# Altium PCB Diff_to_SingleEnded.PcbDoc (part 2 of 2)
Units mil, origin at the board's own origin, x right, y up, seen from the top; angles counter-clockwise.
Board outline 2637.8 x 3543.31 mil, 4 copper layers (Top Layer, GND, 5V, Bottom Layer), stack 23.756 mil thick; 147 components, 99 nets, 427 pads, 69 vias.
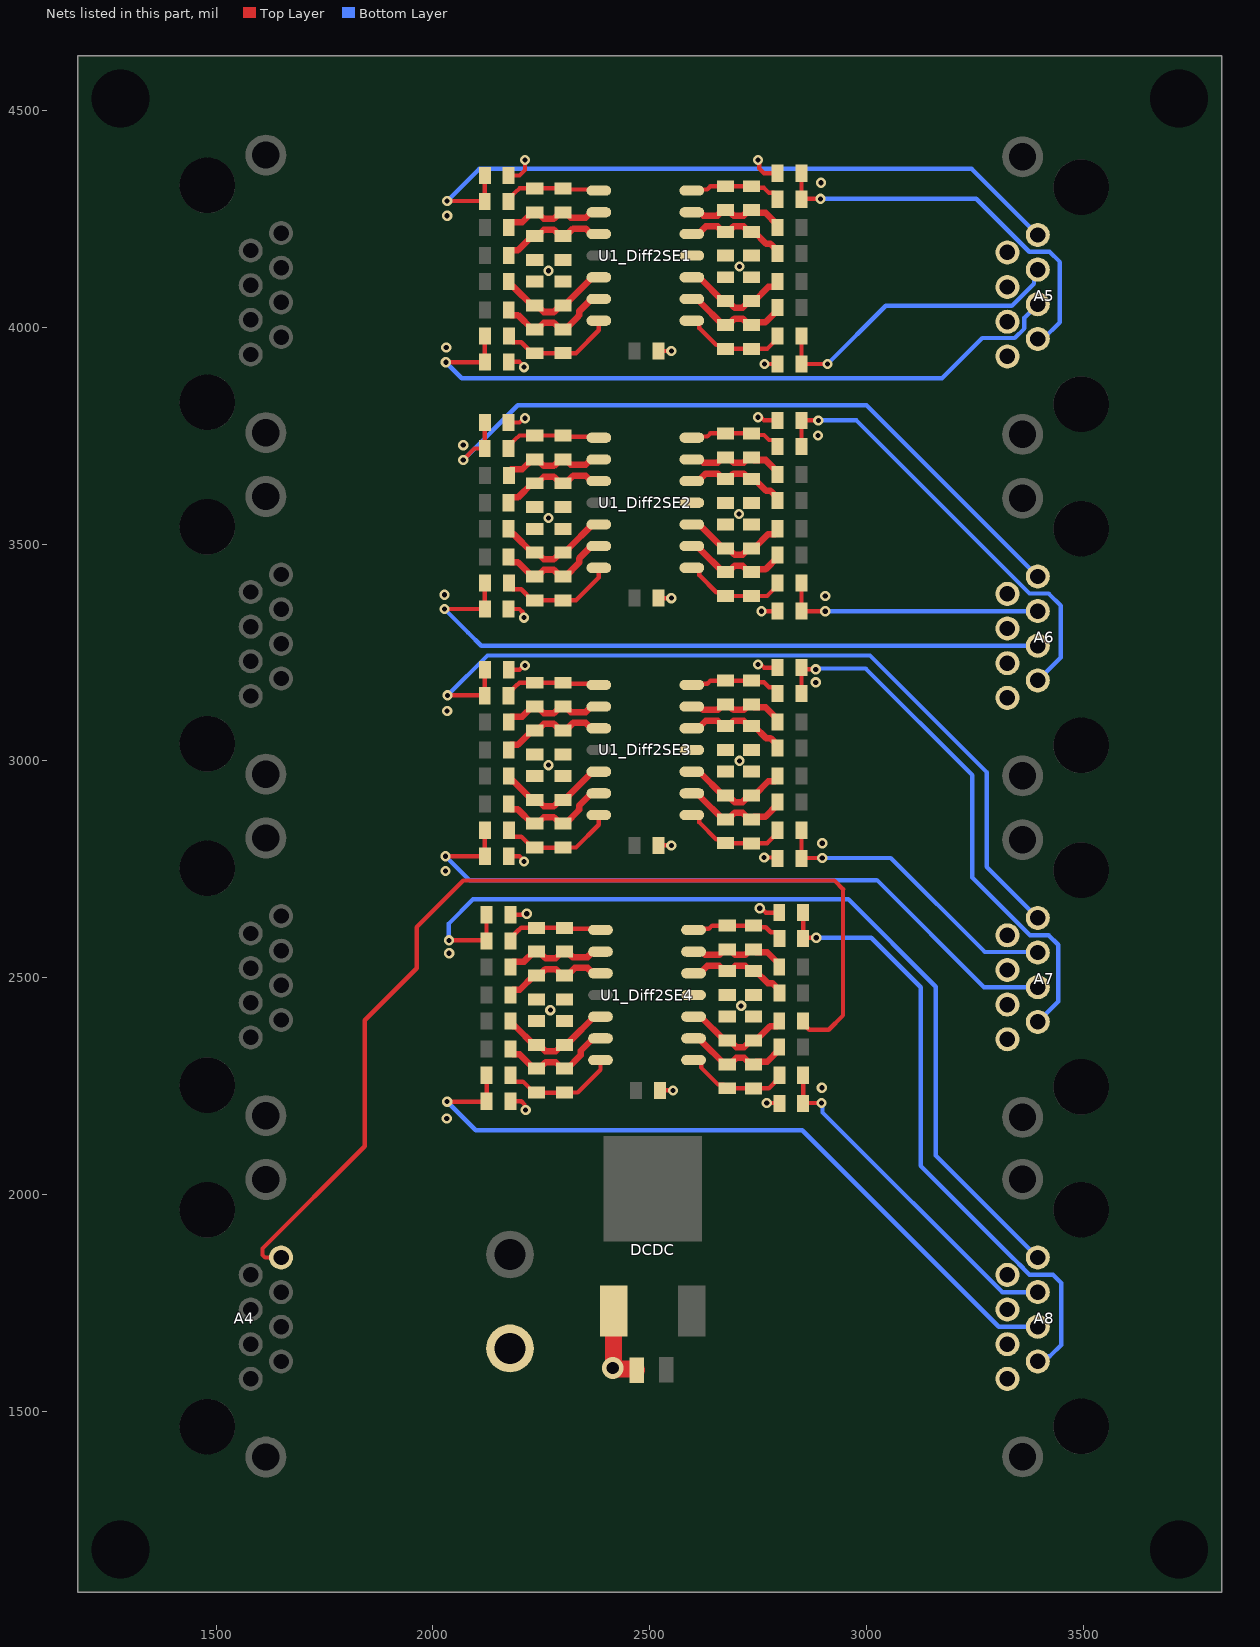
[diagram p4: the nets of this part, all layers, seen from the top]

## Via types
v1: diameter 23.62, hole 11.81, Top Layer to Bottom Layer, 67 vias
v2: diameter 50, hole 28, Top Layer to Bottom Layer, 1 vias
v3: diameter 120.08, hole 120.08, Top Layer to Bottom Layer, 1 vias

## Nets (pads, with @x,y where several pads share a name; then routed paths per layer and width w, separated by ;. In a path a pad name is that pad's centre, name@x,y a point inside that pad or via, vN(x,y) a via of type N, cw(c..) or ccw(c..) an arc to the next point about the centre after c; other vN are vias at no path point) (continued)
ADC_IND-_4: A4.8 R7_Diff2SE4.1 | length 2392.5
  Top Layer w10: A4.8@1650.08,1854.72 1650.01,1854.65 1613.22,1854.65 1607.36,1860.51 1607.36,1875.44 1843,2111.08 1843,2402 1962.86,2521.86 1962.86,2616.57 2070.28,2724 2926,2724 2946.5,2703.5 ; R7_Diff2SE4.1@2854,2400 2854,2394.09 2868.09,2380 2913,2380 2946,2413 2946,2703
ADC_OUTA_1: A5.1 C3_Diff2SE1.1 R5_Diff2SE1.2 | length 1603
  Top Layer w10: v1(2033,4291) 2118.76,4291 R5_Diff2SE1.2@2119.76,4290 2119.82,4290.06 C3_Diff2SE1.1@2119.82,4349.94 C3_Diff2SE1.1@2119.88,4350
  Bottom Layer w10: v1(2033,4291) 2107,4365 3242.6,4365 A5.1@3395,4212.6
ADC_OUTA_2: A6.1 C3_Diff2SE2.1 R5_Diff2SE2.2 | length 1661.4
  Top Layer w10: v1(2070,3694) 2096.12,3720.12 R5_Diff2SE2.2@2119.76,3720.12 2119.82,3720.18 2119.82,3780.06 C3_Diff2SE2.1@2119.88,3780.12
  Bottom Layer w10: v1(2070,3694) 2196,3820 3000.2,3820 A6.1@3395,3425.2
ADC_OUTA_3: A7.1 C3_Diff2SE3.1 R5_Diff2SE3.2 | length 1923.8
  Top Layer w10: v1(2034,3151) 2118.76,3151 R5_Diff2SE3.2@2119.76,3150 2119.82,3150.06 2119.82,3209.94 C3_Diff2SE3.1@2119.88,3210
  Bottom Layer w10: v1(2034,3151) 2126,3243 3008,3243 3277,2974 3277,2755.8 A7.1@3395,2637.8
ADC_OUTA_4: A8.1 C3_Diff2SE4.1 R5_Diff2SE4.2 | length 2137.4
  Top Layer w10: v1(2037,2586) 2122.76,2586 R5_Diff2SE4.2@2123.76,2585 2123.82,2585.06 2123.82,2644.94 C3_Diff2SE4.1@2123.88,2645
  Bottom Layer w10: v1(2037,2586) 2037,2625 2092.75,2680.75 2958.25,2680.75 3159.94,2479.06 3159.94,2089.87 A8.1@3395,1854.8
ADC_OUTB_1: A5.3 C6_Diff2SE1.1 R10_Diff2SE1.2 | length 714.1
  Top Layer w10: R10_Diff2SE1.2@2850.12,3980 2850.06,3979.94 2850.06,3915.06 C6_Diff2SE1.1@2850,3915 v1(2910,3915)
  Bottom Layer w10: v1(2910,3915) 3044.25,4049.25 3335.25,4049.25 3386.31,4100.31 3386.31,4123.98 A5.3@3395,4132.68
ADC_OUTB_2: A6.3 C6_Diff2SE2.1 R10_Diff2SE2.2 | length 610.2
  Top Layer w10: R10_Diff2SE2.2@2850.12,3410.12 R10_Diff2SE2.2@2850.12,3410.12 2850.06,3345.18 C6_Diff2SE2.1@2850,3345.12 2850.12,3345 v1(2905,3345)
  Bottom Layer w10: v1(2905,3345) 2905.14,3345.14 3394.86,3345.14 A6.3@3395,3345.28
ADC_OUTB_3: A7.3 C6_Diff2SE3.1 R10_Diff2SE3.2 | length 700.7
  Top Layer w10: C6_Diff2SE3.1@2850,2775 C6_Diff2SE3.1@2850.06,2775.06 ; R10_Diff2SE3.2@2850.12,2840 2850.06,2839.94 C6_Diff2SE3.1@2850.06,2775.06 ; v1(2898,2776) 2851,2776 C6_Diff2SE3.1@2850.06,2775.06
  Bottom Layer w10: v1(2898,2776) 3056,2776 3273,2559 3393.87,2559 A7.3@3395,2557.87
ADC_OUTB_4: A8.3 C6_Diff2SE4.1 R10_Diff2SE4.2 | length 798.2
  Top Layer w10: R10_Diff2SE4.2@2854.12,2275 C6_Diff2SE4.1@2854.06,2210.06 2855,2211 v1(2896,2211)
  Bottom Layer w10: v1(2896,2211) 2898.61,2208.39 2898.61,2189.12 3312.85,1774.88 A8.3@3395,1774.88
ADC_OUTC_1: A5.5 C9_Diff2SE1.1 R15_Diff2SE1.2 | length 1615.8
  Top Layer w10: v1(2030,3919) 2118.88,3919 C9_Diff2SE1.1@2119.88,3920 2119.94,3920.06 2119.94,3979.94 R15_Diff2SE1.2@2120,3980
  Bottom Layer w10: v1(2030,3919) 2066.91,3882.09 3174.09,3882.09 3267,3975 3342,3975 3364.15,3997.15 3364.15,4021.91 A5.5@3395,4052.76
ADC_OUTC_2: A6.5 C9_Diff2SE2.1 R15_Diff2SE2.2 | length 1556.1
  Top Layer w10: v1(2027,3350) 2119.76,3350 C9_Diff2SE2.1@2119.88,3350.12 2119.94,3350.18 2119.94,3410.06 R15_Diff2SE2.2@2120,3410.12
  Bottom Layer w10: v1(2027,3350) 2082,3295 2082,3294.86 2111.5,3265.35 A6.5@3395,3265.35
ADC_OUTC_3: A7.5 C9_Diff2SE3.1 R15_Diff2SE3.2 | length 1642
  Top Layer w10: v1(2029,2780) C9_Diff2SE3.1@2119.88,2780 2119.94,2780.06 2119.94,2839.94 R15_Diff2SE3.2@2120,2840
  Bottom Layer w10: v1(2029,2780) 2084,2725 3024,2725 3271.05,2477.95 A7.5@3395,2477.95
ADC_OUTC_4: A8.5 C9_Diff2SE4.1 R15_Diff2SE4.2 | length 1728.3
  Top Layer w10: v1(2033,2214) 2122.88,2214 C9_Diff2SE4.1@2123.88,2215 2123.94,2215.06 2123.94,2274.94 R15_Diff2SE4.2@2124,2275
  Bottom Layer w10: v1(2033,2214) 2099,2148 2852,2148 3305.04,1694.96 A8.5@3395,1694.96
ADC_OUTD_1: A5.7 C12_Diff2SE1.1 R20_Diff2SE1.2 | length 922.3
  Top Layer w10: C12_Diff2SE1.1@2850,4355 2850.06,4354.94 2850.06,4295.06 R20_Diff2SE1.2@2850.12,4295 2851.12,4296 v1(2894,4296)
  Bottom Layer w10: v1(2894,4296) 3253.2,4296 3375.2,4174 3422,4174 3446,4150 3446,4011.54 3407.29,3972.83 A5.7@3395,3972.83
ADC_OUTD_2: A6.7 C12_Diff2SE2.1 R20_Diff2SE2.2 | length 1029.4
  Top Layer w10: C12_Diff2SE2.1@2850,3785.12 C12_Diff2SE2.1@2850.06,3785.06 ; R20_Diff2SE2.2@2850.12,3725.12 2850.06,3725.18 C12_Diff2SE2.1@2850.06,3785.06 ; v1(2889,3785) 2850.12,3785 C12_Diff2SE2.1@2850.06,3785.06
  Bottom Layer w10: v1(2889,3785) 2977,3785 3376,3386 3420,3386 3448,3358 3448,3238.43 A6.7@3395,3185.43
ADC_OUTD_3: A7.7 C12_Diff2SE3.1 R20_Diff2SE3.2 | length 1254
  Top Layer w10: C12_Diff2SE3.1@2850,3215 C12_Diff2SE3.1@2850.06,3214.94 ; R20_Diff2SE3.2@2850.12,3155 2850.06,3155.06 C12_Diff2SE3.1@2850.06,3214.94 ; v1(2883,3211) 2854,3211 C12_Diff2SE3.1@2850.06,3214.94
  Bottom Layer w10: v1(2883,3211) 2885,3213 2998,3213 3244,2967 3244,2731 3377,2598 3420,2598 3442,2576 3442,2445.03 A7.7@3395,2398.03
ADC_OUTD_4: A8.7 C12_Diff2SE4.1 R20_Diff2SE4.2 | length 1439.8
  Top Layer w10: C12_Diff2SE4.1@2854,2650 2854.06,2649.94 2854.06,2590.06 R20_Diff2SE4.2@2854.12,2590 2856.12,2592 v1(2884.25,2592)
  Bottom Layer w10: v1(2884.25,2592) 3011,2592 3125,2478 3125,2066 3339.7,1851.3 3340.1,1851.3 3361.57,1829.83 3361.57,1829.43 3376,1815 3430,1815 3449,1796 3449,1653 3423.22,1627.22 3419.48,1627.22 3407.29,1615.04 A8.7@3395,1615.04
GND: A5.2 A5.4 A5.6 A5.8 A6.2 A6.4 A6.6 A6.8 A7.2 A7.4 A7.6 A7.8 A8.2 A8.4 A8.6 A8.8 C1_Diff2SE1.2 C1_Diff2SE2.2 C1_Diff2SE3.2 C1_Diff2SE4.2 C3_Diff2SE1.2 C3_Diff2SE2.2 C3_Diff2SE3.2 C3_Diff2SE4.2 C4_Diff2SE1.2 C4_Diff2SE2.2 C4_Diff2SE3.2 C4_Diff2SE4.2 C6_Diff2SE1.2 C6_Diff2SE2.2 C6_Diff2SE3.2 C6_Diff2SE4.2 C7_Diff2SE1.2 C7_Diff2SE2.2 C7_Diff2SE3.2 C7_Diff2SE4.2 C9_Diff2SE1.2 C9_Diff2SE2.2 C9_Diff2SE3.2 C9_Diff2SE4.2 C10_Diff2SE1.2 C10_Diff2SE2.2 C10_Diff2SE3.2 C10_Diff2SE4.2 C12_Diff2SE1.2 C12_Diff2SE2.2 C12_Diff2SE3.2 C12_Diff2SE4.2 C13_Diff2SE1.2 C13_Diff2SE2.2 C13_Diff2SE3.2 C13_Diff2SE4.2 C14.2 DCDC.1 R3_Diff2SE1.2 R3_Diff2SE2.2 R3_Diff2SE3.2 R3_Diff2SE4.2 R8_Diff2SE1.2 R8_Diff2SE2.2 R8_Diff2SE3.2 R8_Diff2SE4.2 R13_Diff2SE1.2 R13_Diff2SE2.2 R13_Diff2SE3.2 R13_Diff2SE4.2 R18_Diff2SE1.2 R18_Diff2SE2.2 R18_Diff2SE3.2 R18_Diff2SE4.2 U1_Diff2SE1.11 U1_Diff2SE2.11 U1_Diff2SE3.11 U1_Diff2SE4.11 X1.2 | length 1005.2
  Top Layer w10: C3_Diff2SE1.2@2174.94,4349.94 2199.94,4349.94 2212.44,4362.44 v1(2212.44,4385.75) ; C9_Diff2SE3.2@2175,2780 2200,2780 2207.39,2772.61 2207.39,2770.37 v1(2210,2767.76) ; C3_Diff2SE3.2@2175,3210 2200,3210 2210,3220 v1(2212.5,3220) ; C9_Diff2SE2.2@2175,3350.12 2200,3350.12 2207.39,3342.72 2207.39,3332.72 v1(2210,3330.12) ; C3_Diff2SE2.2@2175,3780.12 2200,3780.12 2210,3790.12 v1(2212.5,3790.12) ; C9_Diff2SE1.2@2175,3920 2200,3920 2207.39,3912.61 2207.39,3910.35 v1(2210,3907.75) ; C9_Diff2SE4.2@2179,2215 2204,2215 2211.39,2207.61 2211.39,2197.61 v1(2214,2195) ; C3_Diff2SE4.2@2179,2645 2214.25,2645 v1(2216.5,2647.25) ; C13_Diff2SE3.2@2520.12,2805 v1(2550,2805) ; C13_Diff2SE2.2@2520.12,3375.12 v1(2550,3375.12) ; C13_Diff2SE1.2@2520.12,3945 v1(2550,3945) ; C13_Diff2SE4.2@2524.12,2240 v1(2554,2240) ; v1(2750,3222.25) 2756.43,3222.25 2763.69,3215 C12_Diff2SE3.2@2794.88,3215 ; v1(2750,3792.25) 2756.55,3792.25 2763.69,3785.12 C12_Diff2SE2.2@2794.88,3785.12 ; v1(2750,4385.75) 2752.61,4383.14 2752.61,4366.08 2763.69,4355 C12_Diff2SE1.2@2794.88,4355 ; v1(2754,2660) 2757.69,2660 2767.69,2650 C12_Diff2SE4.2@2798.88,2650 ; v1(2758,3345) 2794.76,3345 C6_Diff2SE2.2@2794.88,3345.12 ; v1(2764,2777) 2792.88,2777 C6_Diff2SE3.2@2794.88,2775 ; v1(2765,3915) C6_Diff2SE1.2@2794.88,3915 ; v1(2770,2211) 2798,2211 C6_Diff2SE4.2@2798.94,2210.06
  Top Layer w39.37: DCDC.1@2420,1717.5 2417.03,1714.53 2417.03,1602.03 v2(2415,1600) 2417.03,1597.97 2467.05,1597.97 C14.2@2470,1595
  other v1: 2032,2175 2897,2246 2271,2425 2711,2435 2037.59,2556.41 2029,2746 2898,2810 2267,2990 2707,3000 2033,3115 2883,3181 2905,3380 2027,3383 2267,3560.12 2706,3569 2070,3728 2888,3750 2031,3953 2267,4130 2707,4140 2033,4257 2895,4333
NetC1_Diff2SE1_1: C1_Diff2SE1.1 R2_Diff2SE1.2 R3_Diff2SE1.1 U1_Diff2SE1.3 | length 254.6
  Top Layer w15: R2_Diff2SE1.2@2175,4165 2175,4170.91 2181.28,4177.19 2196.28,4177.19 2229.09,4210 C1_Diff2SE1.1@2235,4210 2240.91,4210 2255.85,4224.94 2279.15,4224.94 2294.09,4210 R3_Diff2SE1.1@2300,4210 2305.91,4210 2323.41,4227.5 2352.89,4227.5 2365.39,4215 U1_Diff2SE1.3@2382.72,4215
NetC1_Diff2SE2_1: C1_Diff2SE2.1 R2_Diff2SE2.2 R3_Diff2SE2.1 U1_Diff2SE2.3 | length 254.6
  Top Layer w15: R2_Diff2SE2.2@2175,3595.12 2175,3601.02 2181.28,3607.3 2196.28,3607.3 2229.09,3640.12 C1_Diff2SE2.1@2235,3640.12 2240.91,3640.12 2255.85,3655.06 2279.15,3655.06 2294.09,3640.12 R3_Diff2SE2.1@2300,3640.12 2305.91,3640.12 2323.41,3657.62 2352.89,3657.62 2365.39,3645.12 U1_Diff2SE2.3@2382.72,3645.12
NetC1_Diff2SE3_1: C1_Diff2SE3.1 R2_Diff2SE3.2 R3_Diff2SE3.1 U1_Diff2SE3.3 | length 254.6
  Top Layer w15: R2_Diff2SE3.2@2175,3025 2175,3030.91 2181.28,3037.19 2196.28,3037.19 2229.09,3070 C1_Diff2SE3.1@2235,3070 2240.91,3070 2255.85,3084.94 2279.15,3084.94 2294.09,3070 R3_Diff2SE3.1@2300,3070 2305.91,3070 2323.41,3087.5 2352.89,3087.5 2365.39,3075 U1_Diff2SE3.3@2382.72,3075
NetC1_Diff2SE4_1: C1_Diff2SE4.1 R2_Diff2SE4.2 R3_Diff2SE4.1 U1_Diff2SE4.3 | length 254.6
  Top Layer w15: R2_Diff2SE4.2@2179,2460 2179,2465.91 2185.28,2472.19 2200.28,2472.19 2233.09,2505 C1_Diff2SE4.1@2239,2505 2244.91,2505 2259.85,2519.94 2283.15,2519.94 2298.09,2505 R3_Diff2SE4.1@2304,2505 2309.91,2505 2327.41,2522.5 2356.89,2522.5 2369.39,2510 U1_Diff2SE4.3@2386.72,2510
NetC2_Diff2SE1_1: C2_Diff2SE1.1 R1_Diff2SE1.2 R4_Diff2SE1.1 U1_Diff2SE1.2 | length 248.3
  Top Layer w15: R1_Diff2SE1.2@2175,4230 2175,4235.91 2181.28,4242.19 2206.4,4242.19 2229.09,4264.88 R4_Diff2SE1.1@2235,4264.88 2240.91,4264.88 2255.85,4249.94 2279.15,4249.94 2294.09,4264.88 C2_Diff2SE1.1@2300,4264.88 2305.91,4264.88 2318.29,4252.5 2352.89,4252.5 2365.39,4265 U1_Diff2SE1.2@2382.72,4265
NetC2_Diff2SE1_2: C2_Diff2SE1.2 R4_Diff2SE1.2 R5_Diff2SE1.1 U1_Diff2SE1.1 | length 225.8
  Top Layer w10: R5_Diff2SE1.1@2174.88,4290 2174.88,4295.91 2194.29,4315.32 2194.99,4315.32 2199.68,4320 R4_Diff2SE1.2@2235,4320 C2_Diff2SE1.2@2300,4320 2302.5,4317.5 2380.22,4317.5 U1_Diff2SE1.1@2382.72,4315
NetC2_Diff2SE2_1: C2_Diff2SE2.1 R1_Diff2SE2.2 R4_Diff2SE2.1 U1_Diff2SE2.2 | length 248.3
  Top Layer w15: R1_Diff2SE2.2@2175,3660.12 2175,3666.02 2181.28,3672.3 2206.4,3672.3 2229.09,3695 R4_Diff2SE2.1@2235,3695 2240.9,3695 2255.85,3680.06 2279.15,3680.06 2294.09,3695 C2_Diff2SE2.1@2300,3695 2305.9,3695 2318.29,3682.62 2352.89,3682.62 2365.39,3695.12 U1_Diff2SE2.2@2382.72,3695.12
NetC2_Diff2SE2_2: C2_Diff2SE2.2 R4_Diff2SE2.2 R5_Diff2SE2.1 U1_Diff2SE2.1 | length 225.8
  Top Layer w10: R5_Diff2SE2.1@2174.88,3720.12 2174.88,3726.02 2194.29,3745.43 2194.99,3745.43 2199.68,3750.12 R4_Diff2SE2.2@2235,3750.12 C2_Diff2SE2.2@2300,3750.12 2302.5,3747.62 2380.22,3747.62 U1_Diff2SE2.1@2382.72,3745.12
NetC2_Diff2SE3_1: C2_Diff2SE3.1 R1_Diff2SE3.2 R4_Diff2SE3.1 U1_Diff2SE3.2 | length 248.3
  Top Layer w15: R1_Diff2SE3.2@2175,3090 2175,3095.91 2181.28,3102.19 2206.4,3102.19 2229.09,3124.88 R4_Diff2SE3.1@2235,3124.88 2240.91,3124.88 2255.85,3109.94 2279.15,3109.94 2294.09,3124.88 C2_Diff2SE3.1@2300,3124.88 2305.91,3124.88 2318.29,3112.5 2352.89,3112.5 2365.39,3125 U1_Diff2SE3.2@2382.72,3125
NetC2_Diff2SE3_2: C2_Diff2SE3.2 R4_Diff2SE3.2 R5_Diff2SE3.1 U1_Diff2SE3.1 | length 225.8
  Top Layer w10: R5_Diff2SE3.1@2174.88,3150 2174.88,3155.91 2194.29,3175.32 2194.99,3175.32 2199.68,3180 R4_Diff2SE3.2@2235,3180 C2_Diff2SE3.2@2300,3180 2302.5,3177.5 2380.22,3177.5 U1_Diff2SE3.1@2382.72,3175
NetC2_Diff2SE4_1: C2_Diff2SE4.1 R1_Diff2SE4.2 R4_Diff2SE4.1 U1_Diff2SE4.2 | length 248.3
  Top Layer w15: R1_Diff2SE4.2@2179,2525 2179,2530.91 2185.28,2537.19 2210.4,2537.19 2233.09,2559.88 R4_Diff2SE4.1@2239,2559.88 2244.9,2559.88 2259.85,2544.94 2283.15,2544.94 2298.09,2559.88 C2_Diff2SE4.1@2304,2559.88 2309.9,2559.88 2322.29,2547.5 2356.89,2547.5 2369.39,2560 U1_Diff2SE4.2@2386.72,2560
NetC2_Diff2SE4_2: C2_Diff2SE4.2 R4_Diff2SE4.2 R5_Diff2SE4.1 U1_Diff2SE4.1 | length 225.8
  Top Layer w10: R5_Diff2SE4.1@2178.88,2585 2178.88,2590.91 2198.29,2610.32 2198.99,2610.32 2203.68,2615 C2_Diff2SE4.2@2304,2615 2306.5,2612.5 2384.22,2612.5 U1_Diff2SE4.1@2386.72,2610
NetC4_Diff2SE1_1: C4_Diff2SE1.1 R7_Diff2SE1.2 R8_Diff2SE1.1 U1_Diff2SE1.10 | length 254.9
  Top Layer w15: U1_Diff2SE1.10@2597.28,4115 2614.09,4115 2669.09,4060 R8_Diff2SE1.1@2675,4060 2680.91,4060 2695.9,4045 2714.09,4045 2729.09,4060 C4_Diff2SE1.1@2735,4060 2740.91,4060 2773.72,4092.81 2788.6,4092.81 2794.88,4099.09 R7_Diff2SE1.2@2794.88,4105
NetC4_Diff2SE2_1: C4_Diff2SE2.1 R7_Diff2SE2.2 R8_Diff2SE2.1 U1_Diff2SE2.10 | length 254.9
  Top Layer w15: U1_Diff2SE2.10@2597.28,3545.12 2614.09,3545.12 2669.09,3490.12 R8_Diff2SE2.1@2675,3490.12 2680.9,3490.12 2695.9,3475.12 2714.09,3475.12 2729.09,3490.12 C4_Diff2SE2.1@2735,3490.12 2740.9,3490.12 2773.72,3522.93 2788.6,3522.93 2794.88,3529.21 R7_Diff2SE2.2@2794.88,3535.12
NetC4_Diff2SE3_1: C4_Diff2SE3.1 R7_Diff2SE3.2 R8_Diff2SE3.1 U1_Diff2SE3.10 | length 254.9
  Top Layer w15: U1_Diff2SE3.10@2597.28,2975 2614.09,2975 2669.09,2920 R8_Diff2SE3.1@2675,2920 2680.91,2920 2695.9,2905 2714.09,2905 2729.09,2920 C4_Diff2SE3.1@2735,2920 2740.91,2920 2773.72,2952.81 2788.6,2952.81 2794.88,2959.09 R7_Diff2SE3.2@2794.88,2965
NetC4_Diff2SE4_1: C4_Diff2SE4.1 R7_Diff2SE4.2 R8_Diff2SE4.1 U1_Diff2SE4.10 | length 254.9
  Top Layer w15: U1_Diff2SE4.10@2601.28,2410 2618.09,2410 2673.09,2355 R8_Diff2SE4.1@2679,2355 2684.9,2355 2699.9,2340 2718.09,2340 2733.09,2355 C4_Diff2SE4.1@2739,2355 2744.9,2355 2777.72,2387.81 2792.6,2387.81 2798.88,2394.09 R7_Diff2SE4.2@2798.88,2400
NetC5_Diff2SE1_1: C5_Diff2SE1.1 R6_Diff2SE1.2 R9_Diff2SE1.1 U1_Diff2SE1.9 | length 256.3
  Top Layer w15: U1_Diff2SE1.9@2597.28,4065 2611.68,4065 2615.67,4061.02 2615.67,4058.55 2669.09,4005.12 C5_Diff2SE1.1@2675,4005.12 2680.91,4005.12 2695.79,4020 2714.1,4020 2729.09,4005 R9_Diff2SE1.1@2735,4005 2741.28,4011.28 2767.07,4011.28 2794.88,4039.09 R6_Diff2SE1.2@2794.88,4045
NetC5_Diff2SE1_2: C5_Diff2SE1.2 R9_Diff2SE1.2 R10_Diff2SE1.1 U1_Diff2SE1.8 | length 247.1
  Top Layer w10: U1_Diff2SE1.8@2597.28,4015 2608.32,4015 2614.61,4008.71 2614.61,3997.68 2653.5,3958.78 2666.22,3958.78 2675.06,3949.94 2734.94,3949.94 R9_Diff2SE1.2@2735,3949.88 2735.12,3950 2770.91,3950 2795,3974.09 R10_Diff2SE1.1@2795,3980
NetC5_Diff2SE2_1: C5_Diff2SE2.1 R6_Diff2SE2.2 R9_Diff2SE2.1 U1_Diff2SE2.9 | length 256.3
  Top Layer w15: U1_Diff2SE2.9@2597.28,3495.12 2611.68,3495.12 2615.66,3491.14 2615.66,3488.67 2669.09,3435.24 C5_Diff2SE2.1@2675,3435.24 2680.91,3435.24 2695.79,3450.12 2714.09,3450.12 2729.09,3435.12 R9_Diff2SE2.1@2735,3435.12 2741.28,3441.4 2767.07,3441.4 2794.88,3469.21 R6_Diff2SE2.2@2794.88,3475.12
NetC5_Diff2SE2_2: C5_Diff2SE2.2 R9_Diff2SE2.2 R10_Diff2SE2.1 U1_Diff2SE2.8 | length 247.1
  Top Layer w10: U1_Diff2SE2.8@2597.28,3445.12 2608.31,3445.12 2614.61,3438.83 2614.61,3427.79 2653.5,3388.9 2666.22,3388.9 2675.06,3380.06 2734.94,3380.06 R9_Diff2SE2.2@2735,3380 2735.12,3380.12 2770.9,3380.12 2795,3404.21 R10_Diff2SE2.1@2795,3410.12
NetC5_Diff2SE3_1: C5_Diff2SE3.1 R6_Diff2SE3.2 R9_Diff2SE3.1 U1_Diff2SE3.9 | length 256.3
  Top Layer w15: U1_Diff2SE3.9@2597.28,2925 2611.68,2925 2615.67,2921.02 2615.67,2918.55 2669.09,2865.12 C5_Diff2SE3.1@2675,2865.12 2680.91,2865.12 2695.79,2880 2714.1,2880 2729.09,2865 R9_Diff2SE3.1@2735,2865 2741.28,2871.28 2767.07,2871.28 2794.88,2899.09 R6_Diff2SE3.2@2794.88,2905
NetC5_Diff2SE3_2: C5_Diff2SE3.2 R9_Diff2SE3.2 R10_Diff2SE3.1 U1_Diff2SE3.8 | length 247.1
  Top Layer w10: U1_Diff2SE3.8@2597.28,2875 2608.32,2875 2614.61,2868.71 2614.61,2857.68 2653.5,2818.78 2666.22,2818.78 2675.06,2809.94 2734.94,2809.94 R9_Diff2SE3.2@2735,2809.88 2735.12,2810 2770.91,2810 2795,2834.09 R10_Diff2SE3.1@2795,2840
NetC5_Diff2SE4_1: C5_Diff2SE4.1 R6_Diff2SE4.2 R9_Diff2SE4.1 U1_Diff2SE4.9 | length 256.3
  Top Layer w15: U1_Diff2SE4.9@2601.28,2360 2615.68,2360 2619.67,2356.02 2619.67,2353.55 2673.09,2300.12 C5_Diff2SE4.1@2679,2300.12 2684.91,2300.12 2699.79,2315 2718.09,2315 2733.09,2300 R9_Diff2SE4.1@2739,2300 2745.28,2306.28 2771.07,2306.28 2798.88,2334.09 R6_Diff2SE4.2@2798.88,2340
NetC5_Diff2SE4_2: C5_Diff2SE4.2 R9_Diff2SE4.2 R10_Diff2SE4.1 U1_Diff2SE4.8 | length 247.1
  Top Layer w10: U1_Diff2SE4.8@2601.28,2310 2612.32,2310 2618.61,2303.71 2618.61,2292.68 2657.5,2253.78 2670.22,2253.78 2679.06,2244.94 2738.94,2244.94 R9_Diff2SE4.2@2739,2244.88 2739.12,2245 2774.91,2245 2799,2269.09 R10_Diff2SE4.1@2799,2275
NetC7_Diff2SE1_1: C7_Diff2SE1.1 R12_Diff2SE1.2 R13_Diff2SE1.1 U1_Diff2SE1.5 | length 275
  Top Layer w15: R12_Diff2SE1.2@2175,4105 2175,4099.09 2181.28,4092.81 2186.16,4092.81 2229.09,4049.88 R13_Diff2SE1.1@2235,4049.88 2240.91,4049.88 2255.79,4035 2279.21,4035 2294.09,4049.88 C7_Diff2SE1.1@2300,4049.88 2305.91,4049.88 2312.18,4056.16 2312.18,4058.97 2368.21,4115 U1_Diff2SE1.5@2382.72,4115
NetC7_Diff2SE2_1: C7_Diff2SE2.1 R12_Diff2SE2.2 R13_Diff2SE2.1 U1_Diff2SE2.5 | length 275
  Top Layer w15: R12_Diff2SE2.2@2175,3535.12 2175,3529.21 2181.28,3522.93 2186.16,3522.93 2229.09,3480 R13_Diff2SE2.1@2235,3480 2240.9,3480 2255.79,3465.12 2279.21,3465.12 2294.09,3480 C7_Diff2SE2.1@2300,3480 2305.9,3480 2312.18,3486.28 2312.18,3489.09 2368.21,3545.12 U1_Diff2SE2.5@2382.72,3545.12
NetC7_Diff2SE3_1: C7_Diff2SE3.1 R12_Diff2SE3.2 R13_Diff2SE3.1 U1_Diff2SE3.5 | length 275
  Top Layer w15: R12_Diff2SE3.2@2175,2965 2175,2959.09 2181.28,2952.81 2186.16,2952.81 2229.09,2909.88 R13_Diff2SE3.1@2235,2909.88 2240.91,2909.88 2255.79,2895 2279.21,2895 2294.09,2909.88 C7_Diff2SE3.1@2300,2909.88 2305.91,2909.88 2312.18,2916.16 2312.18,2918.97 2368.21,2975 U1_Diff2SE3.5@2382.72,2975
NetC7_Diff2SE4_1: C7_Diff2SE4.1 R12_Diff2SE4.2 R13_Diff2SE4.1 U1_Diff2SE4.5 | length 275
  Top Layer w15: R12_Diff2SE4.2@2179,2400 2179,2394.09 2185.28,2387.81 2190.16,2387.81 2233.09,2344.88 R13_Diff2SE4.1@2239,2344.88 2244.9,2344.88 2259.79,2330 2283.21,2330 2298.09,2344.88 C7_Diff2SE4.1@2304,2344.88 2309.9,2344.88 2316.18,2351.16 2316.18,2353.97 2372.21,2410 U1_Diff2SE4.5@2386.72,2410
NetC8_Diff2SE1_1: C8_Diff2SE1.1 R11_Diff2SE1.2 R14_Diff2SE1.1 U1_Diff2SE1.6 | length 276.9
  Top Layer w15: R11_Diff2SE1.2@2175,4040 2175,4034.09 2181.28,4027.82 2196.28,4027.82 2229.09,3995 R14_Diff2SE1.1@2235,3995 2240.91,3995 2255.91,4010 2279.21,4010 2294.09,3995.12 C8_Diff2SE1.1@2300,3995.12 2305.91,3995.12 2336.67,4025.89 2336.67,4027.14 2337.18,4027.65 2337.18,4036.2 2365.98,4065 U1_Diff2SE1.6@2382.72,4065
NetC8_Diff2SE1_2: C8_Diff2SE1.2 R14_Diff2SE1.2 R15_Diff2SE1.1 U1_Diff2SE1.7 | length 271.8
  Top Layer w10: R15_Diff2SE1.1@2175.12,3980 2175.12,3974.09 2183.9,3965.31 2203.66,3965.31 2229.09,3939.88 R14_Diff2SE1.2@2235,3939.88 2235.06,3939.94 2299.94,3939.94 C8_Diff2SE1.2@2300,3940 2330,3940 2382.72,3992.72 U1_Diff2SE1.7@2382.72,4015
NetC8_Diff2SE2_1: C8_Diff2SE2.1 R11_Diff2SE2.2 R14_Diff2SE2.1 U1_Diff2SE2.6 | length 276.9
  Top Layer w15: R11_Diff2SE2.2@2175,3470.12 2175,3464.21 2181.28,3457.93 2196.28,3457.93 2229.09,3425.12 R14_Diff2SE2.1@2235,3425.12 2240.91,3425.12 2255.91,3440.12 2279.21,3440.12 2294.09,3425.24 C8_Diff2SE2.1@2300,3425.24 2305.91,3425.24 2336.67,3456 2336.67,3457.26 2337.18,3457.77 2337.18,3466.32 2365.98,3495.12 U1_Diff2SE2.6@2382.72,3495.12
NetC8_Diff2SE2_2: C8_Diff2SE2.2 R14_Diff2SE2.2 R15_Diff2SE2.1 U1_Diff2SE2.7 | length 271.8
  Top Layer w10: R15_Diff2SE2.1@2175.12,3410.12 2175.12,3404.21 2183.9,3395.43 2203.66,3395.43 2229.09,3370 R14_Diff2SE2.2@2235,3370 2235.06,3370.06 2299.94,3370.06 C8_Diff2SE2.2@2300,3370.12 2330,3370.12 2382.72,3422.83 U1_Diff2SE2.7@2382.72,3445.12
NetC8_Diff2SE3_1: C8_Diff2SE3.1 R11_Diff2SE3.2 R14_Diff2SE3.1 U1_Diff2SE3.6 | length 276.9
  Top Layer w15: R11_Diff2SE3.2@2175,2900 2175,2894.09 2181.28,2887.82 2196.28,2887.82 2229.09,2855 2235,2855 2240.91,2855 2255.91,2870 2279.21,2870 2294.09,2855.12 C8_Diff2SE3.1@2300,2855.12 2305.91,2855.12 2336.67,2885.89 2336.67,2887.14 2337.18,2887.65 2337.18,2896.2 2365.98,2925 U1_Diff2SE3.6@2382.72,2925
NetC8_Diff2SE3_2: C8_Diff2SE3.2 R14_Diff2SE3.2 R15_Diff2SE3.1 U1_Diff2SE3.7 | length 271.8
  Top Layer w10: R15_Diff2SE3.1@2175.12,2840 2175.12,2834.09 2183.9,2825.31 2203.66,2825.31 2229.09,2799.88 2235,2799.88 R14_Diff2SE3.2@2235.06,2799.94 2299.94,2799.94 C8_Diff2SE3.2@2300,2800 2330,2800 2382.72,2852.72 U1_Diff2SE3.7@2382.72,2875
NetC8_Diff2SE4_1: C8_Diff2SE4.1 R11_Diff2SE4.2 R14_Diff2SE4.1 U1_Diff2SE4.6 | length 276.9
  Top Layer w15: R11_Diff2SE4.2@2179,2335 2179,2329.09 2185.28,2322.82 2200.28,2322.82 2233.09,2290 R14_Diff2SE4.1@2239,2290 2244.91,2290 2259.91,2305 2283.21,2305 2298.09,2290.12 C8_Diff2SE4.1@2304,2290.12 2309.91,2290.12 2340.67,2320.89 2340.67,2322.14 2341.18,2322.65 2341.18,2331.2 2369.98,2360 U1_Diff2SE4.6@2386.72,2360
NetC8_Diff2SE4_2: C8_Diff2SE4.2 R14_Diff2SE4.2 R15_Diff2SE4.1 U1_Diff2SE4.7 | length 271.8
  Top Layer w10: R15_Diff2SE4.1@2179.12,2275 2179.12,2269.09 2187.9,2260.31 2207.66,2260.31 2233.09,2234.88 R14_Diff2SE4.2@2239,2234.88 2239.06,2234.94 2303.94,2234.94 C8_Diff2SE4.2@2304,2235 2334,2235 2386.72,2287.72 U1_Diff2SE4.7@2386.72,2310
NetC10_Diff2SE1_1: C10_Diff2SE1.1 R17_Diff2SE1.2 R18_Diff2SE1.1 U1_Diff2SE1.12 | length 244.6
  Top Layer w15: U1_Diff2SE1.12@2597.28,4215 2611.79,4215 2629.23,4232.44 2656.65,4232.44 2669.09,4220 R18_Diff2SE1.1@2675,4220 2680.91,4220 2693.35,4232.44 2716.65,4232.44 2729.09,4220 C10_Diff2SE1.1@2735,4220 2740.91,4220 2768.4,4192.51 2778.4,4192.51 2795,4175.91 R17_Diff2SE1.2@2795,4170
NetC10_Diff2SE2_1: C10_Diff2SE2.1 R17_Diff2SE2.2 R18_Diff2SE2.1 U1_Diff2SE2.12 | length 244.6
  Top Layer w15: U1_Diff2SE2.12@2597.28,3645.12 2611.79,3645.12 2629.23,3662.56 2656.65,3662.56 2669.09,3650.12 R18_Diff2SE2.1@2675,3650.12 2680.91,3650.12 2693.35,3662.56 2716.65,3662.56 2729.09,3650.12 C10_Diff2SE2.1@2735,3650.12 2740.91,3650.12 2768.4,3622.63 2778.4,3622.63 2795,3606.02 R17_Diff2SE2.2@2795,3600.12
NetC10_Diff2SE3_1: C10_Diff2SE3.1 R17_Diff2SE3.2 R18_Diff2SE3.1 U1_Diff2SE3.12 | length 244.6
  Top Layer w15: U1_Diff2SE3.12@2597.28,3075 2611.79,3075 2629.23,3092.44 2656.65,3092.44 2669.09,3080 R18_Diff2SE3.1@2675,3080 2680.91,3080 2693.35,3092.44 2716.65,3092.44 2729.09,3080 C10_Diff2SE3.1@2735,3080 2740.91,3080 2768.4,3052.51 2778.4,3052.51 2795,3035.91 R17_Diff2SE3.2@2795,3030
NetC10_Diff2SE4_1: C10_Diff2SE4.1 R17_Diff2SE4.2 R18_Diff2SE4.1 U1_Diff2SE4.12 | length 244.6
  Top Layer w15: U1_Diff2SE4.12@2601.28,2510 2615.79,2510 2633.23,2527.44 2660.65,2527.44 2673.09,2515 R18_Diff2SE4.1@2679,2515 2684.91,2515 2697.35,2527.44 2720.65,2527.44 2733.09,2515 C10_Diff2SE4.1@2739,2515 2744.91,2515 2772.4,2487.51 2782.4,2487.51 2799,2470.91 R17_Diff2SE4.2@2799,2465
NetC11_Diff2SE1_1: C11_Diff2SE1.1 R16_Diff2SE1.2 R19_Diff2SE1.1 U1_Diff2SE1.13 | length 236.2
  Top Layer w15: U1_Diff2SE1.13@2597.28,4265 2616.35,4265 2623.91,4257.44 2656.65,4257.44 2669.09,4269.88 C11_Diff2SE1.1@2675,4269.88 2680.91,4269.88 2693.35,4257.44 2716.65,4257.44 2729.09,4269.88 R19_Diff2SE1.1@2735,4269.88 2741.28,4263.6 2767.18,4263.6 2794.88,4235.91 R16_Diff2SE1.2@2794.88,4230
NetC11_Diff2SE1_2: C11_Diff2SE1.2 R19_Diff2SE1.2 R20_Diff2SE1.1 U1_Diff2SE1.14 | length 217.7
  Top Layer w10: U1_Diff2SE1.14@2597.28,4315 2599.89,4317.61 2632.61,4317.61 2640,4325 C11_Diff2SE1.2@2675,4325 R19_Diff2SE1.2@2735,4325 2738.83,4321.17 2763.83,4321.17 2775.31,4309.69 2786.22,4309.69 2795,4300.91 R20_Diff2SE1.1@2795,4295
NetC11_Diff2SE2_1: C11_Diff2SE2.1 R16_Diff2SE2.2 R19_Diff2SE2.1 U1_Diff2SE2.13 | length 236.2
  Top Layer w15: U1_Diff2SE2.13@2597.28,3695.12 2616.35,3695.12 2623.91,3687.56 2656.65,3687.56 2669.09,3700 C11_Diff2SE2.1@2675,3700 2680.9,3700 2693.35,3687.56 2716.65,3687.56 2729.09,3700 R19_Diff2SE2.1@2735,3700 2741.28,3693.72 2767.18,3693.72 2794.88,3666.02 R16_Diff2SE2.2@2794.88,3660.12
NetC11_Diff2SE2_2: C11_Diff2SE2.2 R19_Diff2SE2.2 R20_Diff2SE2.1 U1_Diff2SE2.14 | length 217.7
  Top Layer w10: U1_Diff2SE2.14@2597.28,3745.12 2599.89,3747.72 2632.61,3747.72 2640,3755.12 C11_Diff2SE2.2@2675,3755.12 R19_Diff2SE2.2@2735,3755.12 2738.83,3751.29 2763.83,3751.29 2775.31,3739.8 2786.22,3739.8 2795,3731.02 R20_Diff2SE2.1@2795,3725.12
NetC11_Diff2SE3_1: C11_Diff2SE3.1 R16_Diff2SE3.2 R19_Diff2SE3.1 U1_Diff2SE3.13 | length 236.2
  Top Layer w15: U1_Diff2SE3.13@2597.28,3125 2616.35,3125 2623.91,3117.44 2656.65,3117.44 2669.09,3129.88 C11_Diff2SE3.1@2675,3129.88 2680.91,3129.88 2693.35,3117.44 2716.65,3117.44 2729.09,3129.88 R19_Diff2SE3.1@2735,3129.88 2741.28,3123.6 2767.18,3123.6 2794.88,3095.91 R16_Diff2SE3.2@2794.88,3090
NetC11_Diff2SE3_2: C11_Diff2SE3.2 R19_Diff2SE3.2 R20_Diff2SE3.1 U1_Diff2SE3.14 | length 217.7
  Top Layer w10: U1_Diff2SE3.14@2597.28,3175 2599.89,3177.61 2632.61,3177.61 2640,3185 C11_Diff2SE3.2@2675,3185 R19_Diff2SE3.2@2735,3185 2738.83,3181.17 2763.83,3181.17 2775.31,3169.69 2786.22,3169.69 2795,3160.91 R20_Diff2SE3.1@2795,3155
NetC11_Diff2SE4_1: C11_Diff2SE4.1 R16_Diff2SE4.2 R19_Diff2SE4.1 U1_Diff2SE4.13 | length 236.2
  Top Layer w15: U1_Diff2SE4.13@2601.28,2560 2620.35,2560 2627.91,2552.44 2660.65,2552.44 2673.09,2564.88 C11_Diff2SE4.1@2679,2564.88 2684.9,2564.88 2697.35,2552.44 2720.65,2552.44 2733.09,2564.88 R19_Diff2SE4.1@2739,2564.88 2745.28,2558.6 2771.18,2558.6 2798.88,2530.91 R16_Diff2SE4.2@2798.88,2525
NetC11_Diff2SE4_2: C11_Diff2SE4.2 R19_Diff2SE4.2 R20_Diff2SE4.1 U1_Diff2SE4.14 | length 217.7
  Top Layer w10: U1_Diff2SE4.14@2601.28,2610 2603.89,2612.61 2636.61,2612.61 2644,2620 C11_Diff2SE4.2@2679,2620 R19_Diff2SE4.2@2739,2620 2742.83,2616.17 2767.83,2616.17 2779.31,2604.69 2790.22,2604.69 2799,2595.91 R20_Diff2SE4.1@2799,2590
pads on no net: A1. A2. A3. A4. A5. A6. A7. A8.
copper on no net:
  other v3: 2178,1357.6

## Polygon pours and split planes (outlines as drawn)
no net on Bottom Layer "NONET_L04_P011" (solid, pour order 11): 1181.1,1082.68
no net on Bottom Layer "NONET_L04_P000" (solid, pour order 0): 3480,7455
GND on Top Layer "GND_L01_P019" (solid, pour order 19): 2574,2445 2569,2450 2569,2470 2574,2475 2669,2475 2674,2470 2674,2450 2669,2445
GND on Top Layer "GND_L01_P018" (solid, pour order 18): 2570,3010 2565,3015 2565,3035 2570,3040 2665,3040 2670,3035 2670,3015 2665,3010
GND on Top Layer "GND_L01_P017" (solid, pour order 17): 2570,3580.12 2565,3585.12 2565,3605.12 2570,3610.12 2665,3610.12 2670,3605.12 2670,3585.12 2665,3580.12
GND on Top Layer "GND_L01_P009" (solid, pour order 9): 2224,2385 2219,2390 2219,2460 2224,2465 2319,2465 2324,2460 2324,2390 2319,2385
GND on Top Layer "GND_L01_P010" (solid, pour order 10): 2664,2395 2659,2400 2659,2470 2664,2475 2759,2475 2764,2470 2764,2400 2759,2395
GND on Top Layer "GND_L01_P008" (solid, pour order 8): 2660,2960 2655,2965 2655,3035 2660,3040 2755,3040 2760,3035 2760,2965 2755,2960
GND on Top Layer "GND_L01_P007" (solid, pour order 7): 2220,2950 2215,2955 2215,3025 2220,3030 2315,3030 2320,3025 2320,2955 2315,2950
GND on Top Layer "GND_L01_P006" (solid, pour order 6): 2660,3530.12 2655,3535.12 2655,3605.12 2660,3610.12 2755,3610.12 2760,3605.12 2760,3535.12 2755,3530.12
GND on Top Layer "GND_L01_P005" (solid, pour order 5): 2220,3520.12 2215,3525.12 2215,3595.12 2220,3600.12 2315,3600.12 2320,3595.12 2320,3525.12 2315,3520.12
GND on Top Layer "GND_L01_P004" (solid, pour order 4): 2570,4150 2565,4155 2565,4175 2570,4180 2665,4180 2670,4175 2670,4155 2665,4150
GND on Top Layer "GND_L01_P003" (solid, pour order 3): 2660,4100 2655,4105 2655,4175 2660,4180 2755,4180 2760,4175 2760,4105 2755,4100
GND on Top Layer "GND_L01_P002" (solid, pour order 2): 2220,4090 2215,4095 2215,4165 2220,4170 2315,4170 2320,4165 2320,4095 2315,4090
GND on GND "GND_L02_P012" (solid, pour order 12): 1279.53,1082.68 1181.1,1181.1 1181.1,4527.56 1279.53,4625.98 3740.16,4625.98 3819,4547.14 3819,1145 3757,1083 1280,1083
5V on 5V "5V_L03_P013" (solid, pour order 13): 1279.53,1082.68 1181.1,1181.1 1181.1,4527.56 1279.53,4625.98 3740.16,4625.98 3819,4547.14 3819,1145 3757,1083 1280,1083

## Keep-outs
Keep-Out Layer:
  the board outline again, w10

## Silkscreen, mask and mechanical layers (free items; w line width, h text height)
Top Overlay:
  drawing of 37 lines, arcs and shapes, not listed
  text "CH1_IN" at 1209,4169 h78.74 r270
  text "CH1_OUT" at 3779,4017 h78.74 r90
  text "CH2_IN" at 1210,3388 h78.74 r270
  text "CH2_OUT" at 3773,3195 h78.74 r90
  text "CH3_IN" at 1212,2611 h78.74 r270
  text "CH3_OUT" at 3778,2410 h78.74 r90
  text "12V Supply" at 2009,1960.52 h78.74
  text "CH4_IN" at 1210,1822 h78.74 r270
  text "CH4_OUT" at 3778,1584 h78.74 r90
  text "Differential to Single Ended" at 2415,1385 h59.06
  text "Date: May-2023 V1.1" at 2407,1320 h59.06
  text "Design: Francisco Rubio" at 2407,1268 h59.06
  text "Project: FONDEF ID22I10031" at 2405.93,1213.65 h59.06

## Dimensions
3838.68,1082.68 to 3818.9,4625.98 on Mechanical 1
1181.1,1082.58 to 3818.9,1082.68 on Mechanical 1